# Altium PCB InsaneKeyboard.PcbDoc (part 2 of 3) (continued)
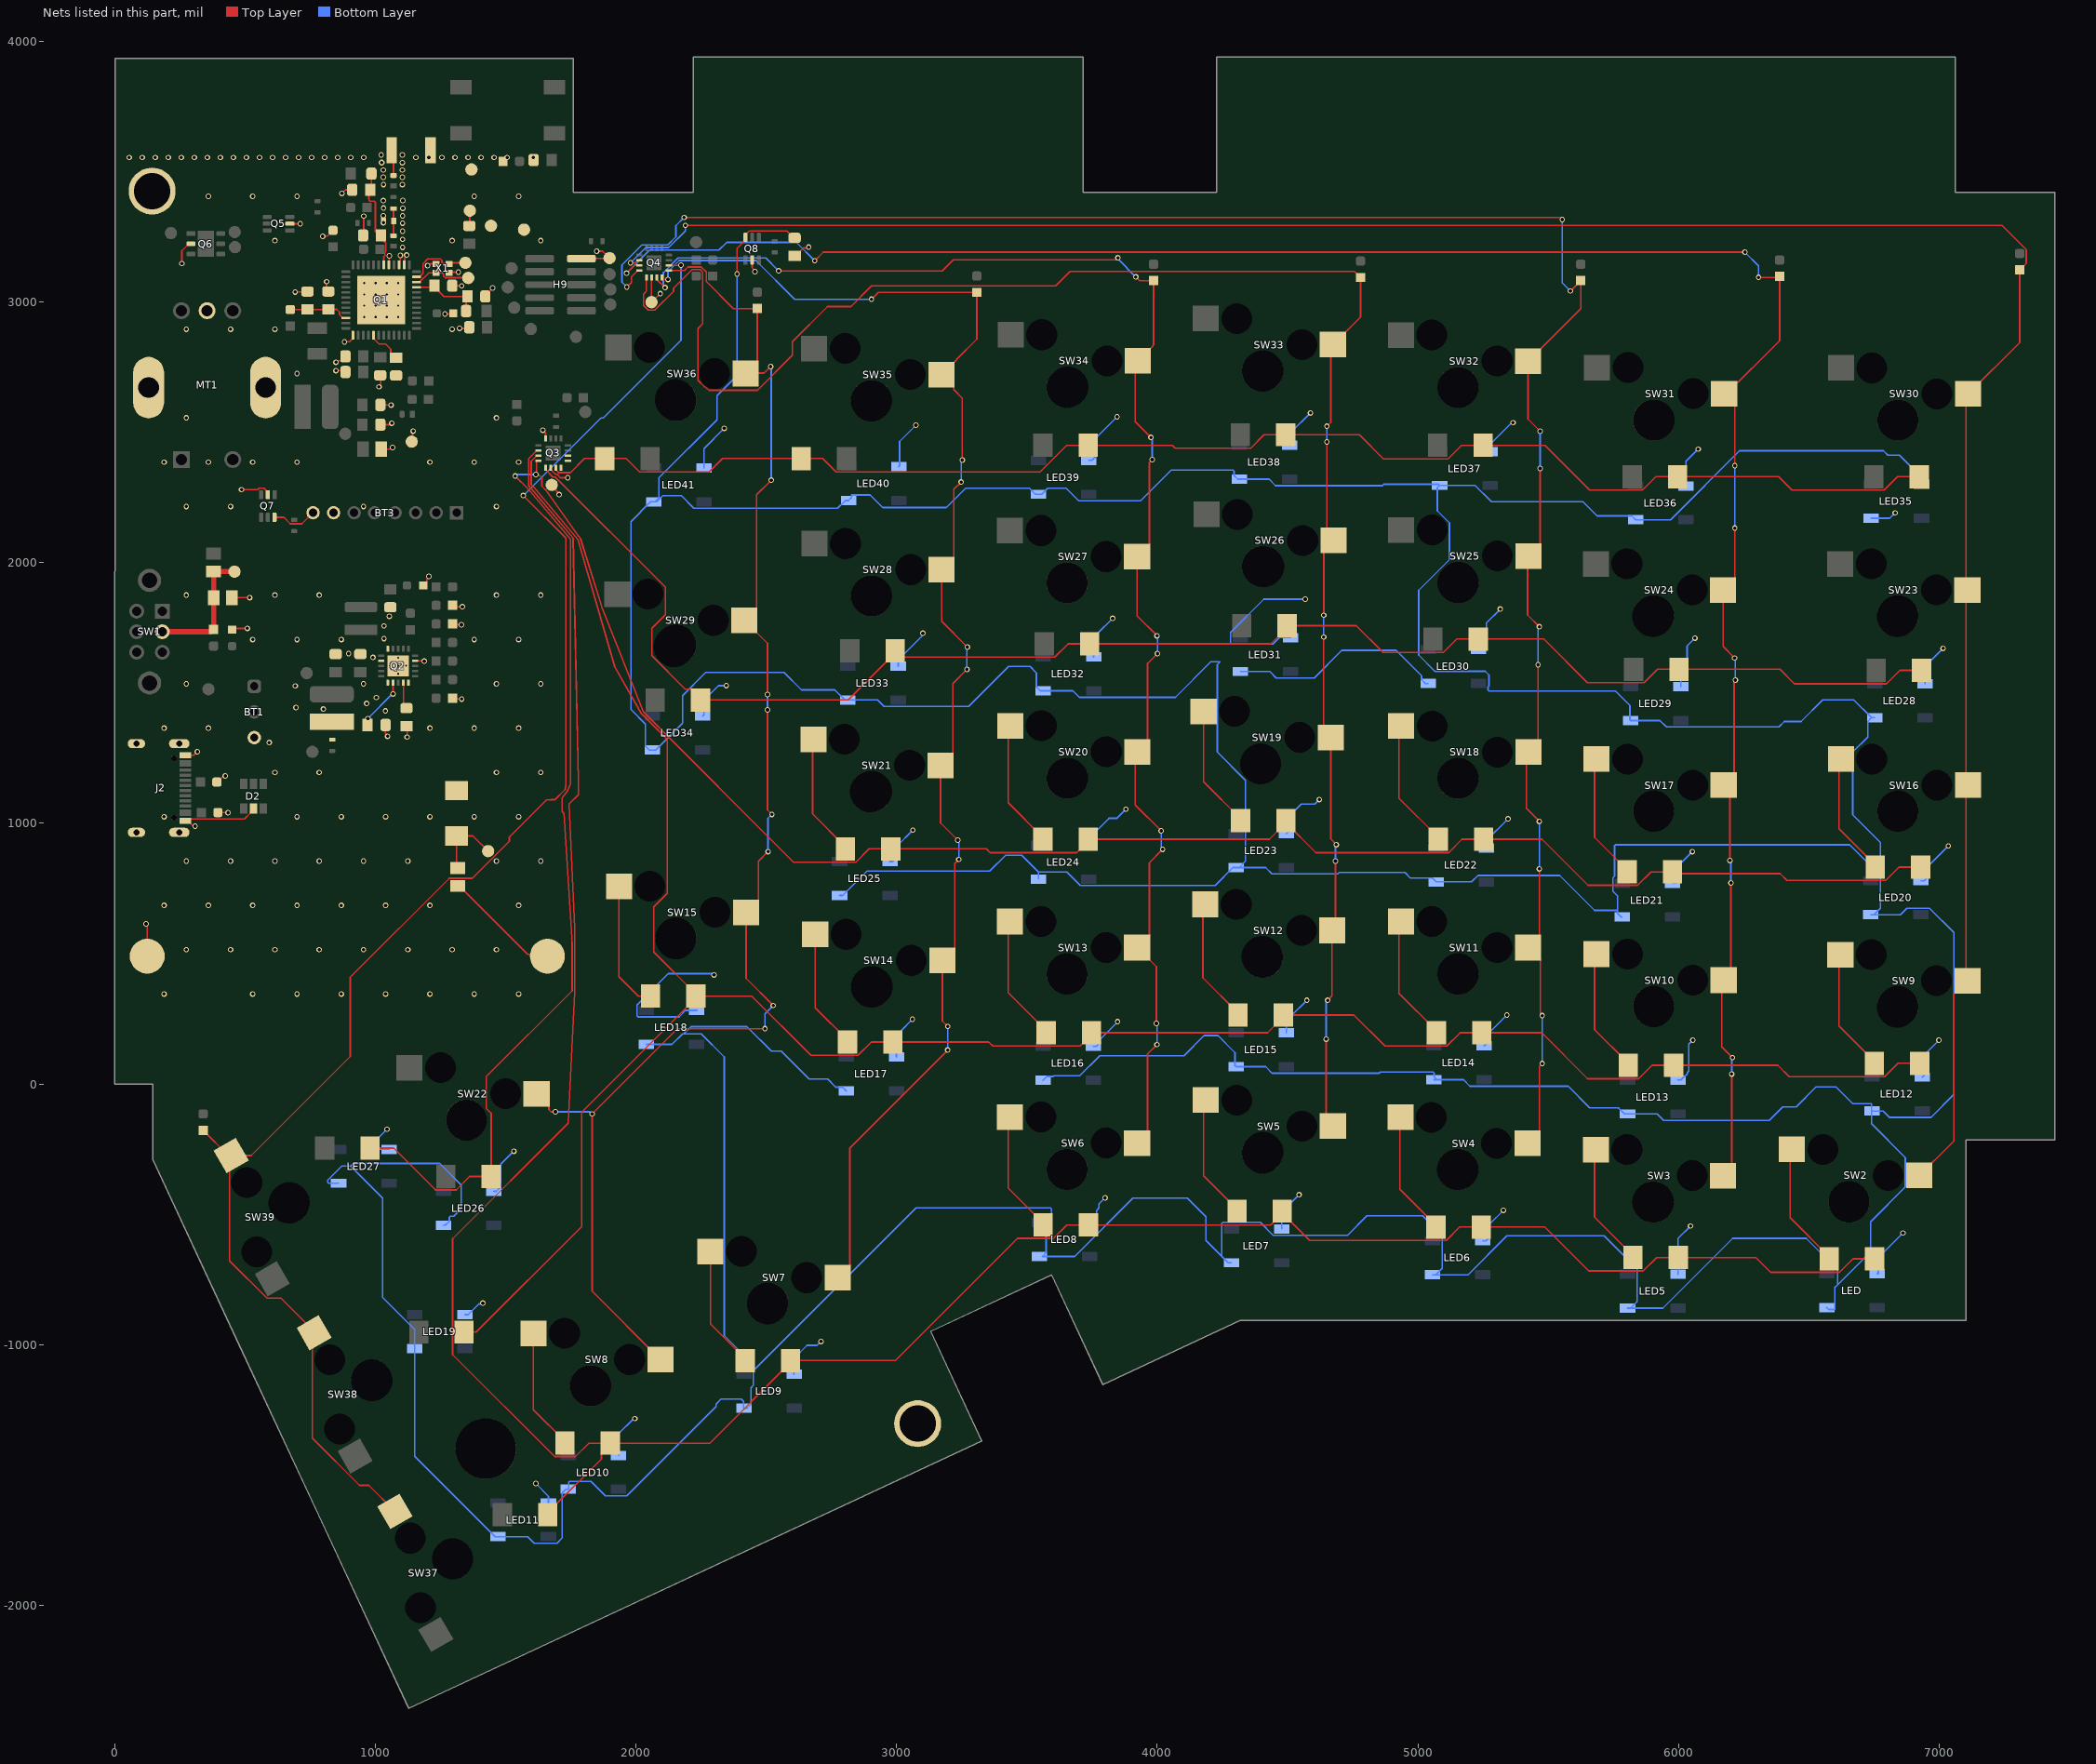
[diagram p4: the nets of this part, all layers, seen from the top]
## Part data (continued)
R15: "Fixed Resistor, Metal Glaze/thick Film, 0.1W, 5620000ohm, 75V, 1% +/-Tol, 100ppm/Cel, Surface Mount, 0603", Case/Package=0603, Manufacturer=Yageo, Manufacturer Part Number=RC0603JR-075M6L, Max Operating Temperature=155°C, Min Operating Temperature=-55°C, Package Height=0.45mm, Package Length=1.6mm, Package Shape=Rectangular, Package Style=SMTMeter, Package Width=0.8mm, Power=100mW, Rated Temperature=70°C, Resistor Type="FIXED RESISTOR", Supplier Part Number=311-5.6MGRCT-ND, Temperature Coefficient=100ppm/°C, Tolerance=5%, Working Voltage=75V, Additional Feature="LASER TRIMMABLE", Category="Chip SMD Resistors", ComponentLink1Description=https://datasheet.ciiva.com:443/pdfs/VipMasterIC/IC/YAGO/YAGO-S-A0008145938/YAGO-S-A0008145938-1.pdf?src-supplier=IHS+Markit, ComponentLink1URL=https://datasheet.ciiva.com:443/pdfs/VipMasterIC/IC/YAGO/YAGO-S-A0008145938/YAGO-S-A0008145938-1.pdf?src-supplier=IHS+Markit, ComponentLink2Description=https://datasheet.ciiva.com/2453/pyu-r-int-thick-7-2453118.pdf?src-supplier=Digikey, ComponentLink2URL=https://datasheet.ciiva.com/2453/pyu-r-int-thick-7-2453118.pdf?src-supplier=Digikey, ComponentLink3Description=https://datasheet.ciiva.com/2453/pyu-r-int-thick-7-2453119.pdf?src-supplier=Digikey, ComponentLink3URL=https://datasheet.ciiva.com/2453/pyu-r-int-thick-7-2453119.pdf?src-supplier=Digikey, ComponentLink4Description=https://datasheet.ciiva.com/2453/pyu-r-int-thick-7-2453120.pdf?src-supplier=Digikey, ComponentLink4URL=https://datasheet.ciiva.com/2453/pyu-r-int-thick-7-2453120.pdf?src-supplier=Digikey, ComponentLink5Description=http://www.mouser.com/ds/2/447/RC0603-272842.pdf?src-supplier=Mouser, ComponentLink5URL=http://www.mouser.com/ds/2/447/RC0603-272842.pdf?src-supplier=Mouser, ComponentLink6Description=http://www.yageo.com/documents/recent/PYu-RC_Group_51_RoHS_L_2.pdf?src-supplier=Avnet, ComponentLink6URL=http://www.yageo.com/documents/recent/PYu-RC_Group_51_RoHS_L_2.pdf?src-supplier=Avnet, ComponentLink7Description=http://www.yageo.com.tw/exep/pages/download/literatures/PYu-R_INT-thick_7.pdf?src-supplier=Digikey, ComponentLink7URL=http://www.yageo.com.tw/exep/pages/download/literatures/PYu-R_INT-thick_7.pdf?src-supplier=Digikey, Construction=Chip, JESD-609 Code=e3, Mounting Technology="Surface Mount", Packaging="Tape and Reel", Pins=2, Pricing="1=0.1, 10=0.015, 50=0.0092, 100=0.0076, 500=0.00512, 1000=0.00437 (USD)", Reach SVHC Compliant=Yes, RoHS=Yes, RoHS Compliant=Yes, Stock=110556, Supplier=Digikey, Technology="METAL GLAZE/THICK FILM", Terminal Finish=Nickel, Termination=Wraparound
R16 R19 R20 R21 R22 R23 R24 R25 R26 R30 R31 R32 R33 R34 R35 R36: "Fixed Resistor, Metal Glaze/thick Film, 0.1W, 10000ohm, 75V, 1% +/-Tol, 100ppm/Cel, Surface Mount, 0603", Case/Package=0603, Manufacturer=Yageo, Manufacturer Part Number=RC0603FR-0710KL, Max Operating Temperature=155°C, Min Operating Temperature=-55°C, Package Height=0.45mm, Package Length=1.6mm, Package Shape=Rectangular, Package Style=SMTMeter, Package Width=0.8mm, Power=100mW, Rated Temperature=70°C, Resistor Type="FIXED RESISTOR", Supplier Part Number=311-10.0KHRCT-ND, Temperature Coefficient=100ppm/°C, Tolerance=1%, Working Voltage=75V, Additional Feature="LASER TRIMMABLE", Category="Chip SMD Resistors", ComponentLink1Description=https://datasheet.ciiva.com:443/pdfs/VipMasterIC/IC/YAGO/YAGO-S-A0008145938/YAGO-S-A0008145938-1.pdf?src-supplier=IHS+Markit, ComponentLink1URL=https://datasheet.ciiva.com:443/pdfs/VipMasterIC/IC/YAGO/YAGO-S-A0008145938/YAGO-S-A0008145938-1.pdf?src-supplier=IHS+Markit, ComponentLink2Description=http://www.farnell.com/datasheets/2167052.pdf?src-supplier=Farnell, ComponentLink2URL=http://www.farnell.com/datasheets/2167052.pdf?src-supplier=Farnell, ComponentLink3Description=http://www.farnell.com/datasheets/1868787.pdf?src-supplier=Farnell, ComponentLink3URL=http://www.farnell.com/datasheets/1868787.pdf?src-supplier=Farnell, ComponentLink4Description=http://www.farnell.com/datasheets/443971.pdf?src-supplier=Farnell, ComponentLink4URL=http://www.farnell.com/datasheets/443971.pdf?src-supplier=Farnell, ComponentLink5Description=http://www.yageo.com/documents/recent/PYu-RC_Group_51_RoHS_L_10.pdf?src-supplier=Digikey, ComponentLink5URL=http://www.yageo.com/documents/recent/PYu-RC_Group_51_RoHS_L_10.pdf?src-supplier=Digikey, ComponentLink6Description=http://www.yageo.com/documents/recent/PYu-RC_Group_51_RoHS_L_9.pdf?src-supplier=Component+Sense, ComponentLink6URL=http://www.yageo.com/documents/recent/PYu-RC_Group_51_RoHS_L_9.pdf?src-supplier=Component+Sense, Construction=Chip, JESD-609 Code=e3, Mounting Technology="Surface Mount", Packaging="Tape and Reel", Pins=2, Pricing="1=0.1, 10=0.019, 50=0.0112, 100=0.0093, 500=0.00622, 1000=0.00532, 5000=0.00382, 10000=0.00335, 25000=0.00287, 35000=0.00278, 50000=0.00257, 125000=0.00232 (USD)", Reach SVHC Compliant=Yes, RoHS=Yes, RoHS Compliant=Yes, Stock=6878448, Supplier=Digikey, Technology="METAL GLAZE/THICK FILM", Terminal Finish=Nickel, Termination=Wraparound
R17: "Fixed Resistor, Metal Glaze/thick Film, 0.1W, 4990000ohm, 75V, 1% +/-Tol, 100ppm/Cel, Surface Mount, 0603", Case/Package=0603, Manufacturer=Yageo, Manufacturer Part Number=RC0603FR-074M99L, Max Operating Temperature=155°C, Min Operating Temperature=-55°C, Package Height=0.45mm, Package Length=1.6mm, Package Shape=Rectangular, Package Style=SMTMeter, Package Width=0.8mm, Power=100mW, Rated Temperature=70°C, Resistor Type="FIXED RESISTOR", Supplier Part Number=13-RC0603FR-074M99LDKR-ND, Temperature Coefficient=100ppm/°C, Tolerance=1%, Working Voltage=75V, Additional Feature="LASER TRIMMABLE", Category="Chip SMD Resistors", ComponentLink1Description=https://datasheet.ciiva.com:443/pdfs/VipMasterIC/IC/YAGO/YAGO-S-A0008145938/YAGO-S-A0008145938-1.pdf?src-supplier=IHS+Markit, ComponentLink1URL=https://datasheet.ciiva.com:443/pdfs/VipMasterIC/IC/YAGO/YAGO-S-A0008145938/YAGO-S-A0008145938-1.pdf?src-supplier=IHS+Markit, ComponentLink2Description=http://www.mouser.com/ds/2/447/RC0603-272842.pdf?src-supplier=Mouser, ComponentLink2URL=http://www.mouser.com/ds/2/447/RC0603-272842.pdf?src-supplier=Mouser, ComponentLink3Description=http://www.yageo.com/documents/recent/PYu-RC_Group_51_RoHS_L_9.pdf?src-supplier=Digikey, ComponentLink3URL=http://www.yageo.com/documents/recent/PYu-RC_Group_51_RoHS_L_9.pdf?src-supplier=Digikey, ComponentLink4Description=http://www.yageo.com/documents/recent/PYu-RC0603_51_RoHS_L_7.pdf?src-supplier=Future+Electronics, ComponentLink4URL=http://www.yageo.com/documents/recent/PYu-RC0603_51_RoHS_L_7.pdf?src-supplier=Future+Electronics, ComponentLink5Description=http://www.yageo.com/documents/recent/PYu-RC_Group_51_RoHS_L_2.pdf?src-supplier=Avnet, ComponentLink5URL=http://www.yageo.com/documents/recent/PYu-RC_Group_51_RoHS_L_2.pdf?src-supplier=Avnet, ComponentLink6Description=https://datasheet.octopart.com/RC0603FR-074M99L-Yageo-datasheet-164759695.pdf?src-supplier=Future+Electronics, ComponentLink6URL=https://datasheet.octopart.com/RC0603FR-074M99L-Yageo-datasheet-164759695.pdf?src-supplier=Future+Electronics, ComponentLink7Description=https://datasheet.octopart.com/RC0603FR-074M99L-Yageo-datasheet-148775077.pdf?src-supplier=TME, ComponentLink7URL=https://datasheet.octopart.com/RC0603FR-074M99L-Yageo-datasheet-148775077.pdf?src-supplier=TME, Construction=Chip, JESD-609 Code=e3, Mounting Technology="Surface Mount", Packaging="Tape and Reel", Pins=2, Pricing="1=0.1, 10=0.019, 50=0.0112, 100=0.0093, 500=0.00622, 1000=0.00532 (USD)", Reach SVHC Compliant=Yes, RoHS=Yes, RoHS Compliant=Yes, Stock=585, Supplier=Digikey, Technology="METAL GLAZE/THICK FILM", Terminal Finish=Nickel, Termination=Wraparound
S1: "Keypad Switch, 1 Switches, SPST, Momentary-tactile, 0.05A, 50VDC, 2.55N, Solder Terminal, Surface Mount-straight", Contact Current(DC)-Max=50mA, Contact DC Max Rating R Load=.05A@50VDC, Contact Voltage(DC)-Max=50V, Manufacturer=E-Switch, Manufacturer Part Number=TL3301NF260QG, Operating Force-Max=3.04N, Supplier Part Number=EG1868CT-ND, Body Breadth=6inch, Body Height=3.6mm, Body Length or Diameter=6mm, Category="Tactile Switches", Circuit Configuration=1X1, ComponentLink1Description=https://datasheet.ciiva.com:443/pdfs/VipMasterIC/IC/ESCH/ESCH-S-A0005350531/ESCH-S-A0005350531-1.pdf?src-supplier=IHS+Markit, ComponentLink1URL=https://datasheet.ciiva.com:443/pdfs/VipMasterIC/IC/ESCH/ESCH-S-A0005350531/ESCH-S-A0005350531-1.pdf?src-supplier=IHS+Markit, ComponentLink2Description=https://datasheet.ciiva.com/2901/p010517e-2901296.pdf?src-supplier=Digikey, ComponentLink2URL=https://datasheet.ciiva.com/2901/p010517e-2901296.pdf?src-supplier=Digikey, ComponentLink3Description=https://datasheet.ciiva.com/2901/tl3301-2901294.pdf?src-supplier=Digikey, ComponentLink3URL=https://datasheet.ciiva.com/2901/tl3301-2901294.pdf?src-supplier=Digikey, ComponentLink4Description=https://datasheet.ciiva.com/2901/tl3301-2901295.pdf?src-supplier=Digikey, ComponentLink4URL=https://datasheet.ciiva.com/2901/tl3301-2901295.pdf?src-supplier=Digikey, ComponentLink5Description=https://datasheet.ciiva.com/7637/tl3301-7637661.pdf?src-supplier=Element14, ComponentLink5URL=https://datasheet.ciiva.com/7637/tl3301-7637661.pdf?src-supplier=Element14, JESD-609 Code=e4, Mounting Technology="Surface Mount", Number of Switches=1, Packaging="Tape and Reel", Pricing="1=0.42, 10=0.404, 25=0.3804, 100=0.3303, 250=0.29968, 500=0.27876 (USD)", Reach SVHC Compliant=Yes, RoHS=Yes, RoHS Compliant=Yes, Stock=45667, Supplier=Digikey, Switch Action=MOMENTARY-TACTILE, Switch Function=SPST, Switch Type=Keypad, Terminal Finish=Silver, Termination=Solder
SW1: "Slide Switch, DPDT, Latched, Solder Terminal, Through Hole-right Angle", Manufacturer=E-Switch, Manufacturer Part Number=EG2208, Max Operating Temperature=70°C, Min Operating Temperature=-20°C, Supplier Part Number=EG1941-ND, Body Breadth=6inch, Body Height=5mm, Body Length or Diameter=10mm, Category="Slide Switches", ComponentLink1Description=https://datasheet.ciiva.com:443/pdfs/VipMasterIC/IC/ESCH/ESCH-S-A0005350660/ESCH-S-A0005350660-1.pdf?src-supplier=IHS+Markit, ComponentLink1URL=https://datasheet.ciiva.com:443/pdfs/VipMasterIC/IC/ESCH/ESCH-S-A0005350660/ESCH-S-A0005350660-1.pdf?src-supplier=IHS+Markit, ComponentLink2Description=https://datasheet.ciiva.com/2889/p040110c-2889382.pdf?src-supplier=Digikey, ComponentLink2URL=https://datasheet.ciiva.com/2889/p040110c-2889382.pdf?src-supplier=Digikey, ComponentLink3Description=https://datasheet.ciiva.com/16174/seriesegslides-16174287.pdf?src-supplier=Onlinecomponents.com, ComponentLink3URL=https://datasheet.ciiva.com/16174/seriesegslides-16174287.pdf?src-supplier=Onlinecomponents.com, ComponentLink4Description=https://datasheet.ciiva.com/16216/eg-16216332.pdf?src-supplier=Future+Electronics, ComponentLink4URL=https://datasheet.ciiva.com/16216/eg-16216332.pdf?src-supplier=Future+Electronics, JESD-609 Code=e4, Mounting Technology="Through Hole", Pricing="1=0.66, 10=0.639, 25=0.5968, 100=0.5183, 250=0.47168, 800=0.43728, 1600=0.4325 (USD)", Reach SVHC Compliant=Yes, RoHS=Yes, RoHS Compliant=Yes, Stock=171516, Supplier=Digikey, Switch Action=LATCHED, Switch Function=DPDT, Switch Type="Slide Switch", Terminal Finish=Silver, Termination=Solder
SW2 SW3 SW4 SW5 SW6 SW7 SW8 SW9 SW10 SW11 SW12 SW13 SW14 SW15 SW16 SW17 SW18 SW19 SW20 SW21 SW22 SW23 SW24 SW25 SW26 SW27 SW28 SW29 SW30 SW31 SW32 SW33 SW34 SW35 SW36 SW37 SW38 SW39: "Gateron G Pro 2.0, The 3-Pin switches are compatible with any 3-Pin/5-Pin MX mechanical keyboard"
TP15: "Test points"
X1: "Crystal 38.4000MHZ 10PF SMD", Manufacturer=Murata, Manufacturer Part Number=XRCGB38M400F1S3JR0, Supplier Part Number=490-XRCGB38M400F1S3JR0TR-ND, Category=LDO, ComponentLink1Description=https://datasheet.octopart.com/TZ2205E-TST---Tamsan-datasheet-98782093.pdf?src-supplier=Component+Distributors+Inc., ComponentLink1URL=https://datasheet.octopart.com/TZ2205E-TST---Tamsan-datasheet-98782093.pdf?src-supplier=Component+Distributors+Inc., ComponentLink2Description=http://www.txccorp.com/download/products/quartz_crystals/2015TXC_8Y_15.pdf?src-supplier=Digikey, ComponentLink2URL=http://www.txccorp.com/download/products/quartz_crystals/2015TXC_8Y_15.pdf?src-supplier=Digikey, Pricing="1=1.13, 10=1.004, 50=0.938, 100=0.829, 500=0.78538, 1000=0.65448 (USD)", RoHS=No, Stock=604, Supplier=Digikey
X2: library part "XTAL 32.768kHz", "Parallel - Fundamental Quartz Crystal, 0.032768MHz Nom", Frequency Tolerance=20ppm, Load Capacitance=12.5pF, Manufacturer=Abracon, Manufacturer Part Number=ABS07-32.768KHZ-T, Max Operating Temperature=85°C, Min Operating Temperature=-40°C, Operating Frequency-Nom=0.032768, Supplier Part Number=815-ABS07-32.768KHZT, Additional Feature="TAPE AND REEL", Aging="3 PPM/FIRST YEAR", Category=Crystals, ComponentLink1Description=https://datasheet.ciiva.com:443/pdfs/VipMasterIC/IC/ABRC/ABRC-S-A0006623177/ABRC-S-A0006623177-1.pdf?src-supplier=IHS+Markit, ComponentLink1URL=https://datasheet.ciiva.com:443/pdfs/VipMasterIC/IC/ABRC/ABRC-S-A0006623177/ABRC-S-A0006623177-1.pdf?src-supplier=IHS+Markit, ComponentLink2Description=https://datasheet.ciiva.com/854/abs07-854935.pdf?src-supplier=Digikey, ComponentLink2URL=https://datasheet.ciiva.com/854/abs07-854935.pdf?src-supplier=Digikey, ComponentLink3Description=https://datasheet.ciiva.com/854/abs07-854936.pdf?src-supplier=Digikey, ComponentLink3URL=https://datasheet.ciiva.com/854/abs07-854936.pdf?src-supplier=Digikey, ComponentLink4Description=https://datasheet.ciiva.com/854/abs07-854937.pdf?src-supplier=Digikey, ComponentLink4URL=https://datasheet.ciiva.com/854/abs07-854937.pdf?src-supplier=Digikey, ComponentLink5Description=https://datasheet.ciiva.com/15214/getdatasheetpartid-727011-15214954.pdf?src-supplier=Verical, ComponentLink5URL=https://datasheet.ciiva.com/15214/getdatasheetpartid-727011-15214954.pdf?src-supplier=Verical, ComponentLink6Description=https://datasheet.ciiva.com/7998/1912628-7998667.pdf?src-supplier=Element14, ComponentLink6URL=https://datasheet.ciiva.com/7998/1912628-7998667.pdf?src-supplier=Element14, Crystal/Resonator Type="PARALLEL - FUNDAMENTAL", Drive Level=0.5uW, ESR=70kR, Mounting Technology="Surface Mount", Pricing="1=0.64, 10=0.502, 50=0.502, 100=0.463, 500=0.438, 1000=0.419, 3000=0.308, 6000=0.281, 9000=0.269, 10000=0.269, 24000=0.258 (USD)", Reach SVHC Compliant=Yes, RoHS=Yes, RoHS Compliant=Yes, Stock=349794, Supplier=Mouser

## Free pads (board coordinates)
  round 157.48 hole 157.48: 1(670.06,-455.52) 1(986.96,-1135.22) 1(1349.76,-138.61) 1(1825.88,-1157.86) 1(2153.97,559.59) 1(2153.97,1684.6) 1(2153.97,2622.01) 1(2505.58,-840.86) 1(2903.97,372.09) 1(2903.97,1122.1) 1(2903.97,1872.1) 1(2903.97,2622.01) 1(3653.98,-327.92) 1(3653.98,422.09) 1(3653.98,1172.1) 1(3653.98,1922.1) 1(3653.98,2672.11) 1(4403.98,-265.01) 1(4403.98,484.99) 1(4403.98,1985) 1(4403.98,2735.01) 1(5153.99,-327.92) 1(5153.99,422.09) 1(5153.99,1172.1) 1(5153.99,1922.1) 1(5153.99,2672.11) 1(5903.99,-452.92) 1(5903.99,297.09) 1(5903.99,1047.09) 1(5903.99,1797.1) 1(5904,2547) 1(6654,-452.92) 1(6841.5,297.09) 1(6841.5,1047.09) 1(6841.5,1797.1) 1(6841.5,2547)
  round 232.28 hole 232.28: 1(1424.08,-1399.47)

## Via types
v1: diameter 21, hole 13, Top Layer to Bottom Layer, tented both sides, 410 vias
v2: diameter 21, hole 13, Top Layer to Bottom Layer, 116 vias
v3: diameter 0, hole 13, Int1 (GND) to Int2 (GND), 28 vias
v4: diameter 21, hole 13, Int2 (GND) to Bottom Layer, 22 vias
v5: diameter 19.68/19.68 (per signal layer), hole 7.87, Top Layer to Bottom Layer, tented both sides, 16 vias
v6: diameter 21, hole 13, Top Layer to Int1 (GND), 4 vias
v7: diameter 23, hole 13, Top Layer to Bottom Layer, tented both sides, 1 vias

## Nets (pads, with @x,y where several pads share a name; then routed paths per layer and width w, separated by ;. In a path a pad name is that pad's centre, name@x,y a point inside that pad or via, vN(x,y) a via of type N, cw(c..) or ccw(c..) an arc to the next point about the centre after c; other vN are vias at no path point)
+3.3V: C22.1 C24.1 R8.1 SW1.2 TP20.1 | length 504.1
  Top Layer w20: SW1.2@183.21,1734.85 371.86,1734.85 380.71,1743.7 380.35,1744.05 380.35,1864.65 C22.1@380.71,1865 380.35,1865.35 C24.1@380.35,1965.35 ; TP20.1@460,1965 459.65,1965.35 C24.1@380.35,1965.35 ; C24.1@380.35,1965.35 C24.1@380,1965.71 C24.1@380.35,1965.35
DISPLAY_LOAD_SW: BT3.8 Q7.6 | length 175.8
  Top Layer w6: Q7.6@613.59,2173.69 649.38,2173.69 674.29,2148.78 718.84,2148.78 BT3.8@761.41,2191.35
GND: ATT1.GND BT1.3 BT2.N BT3.7 C1.2 C2.2 C3.2 C4.2 C5.2 C6.2 C7.2 C8.2 C9.2 C10.2 C11.2 C12.2 C13.2 C14.2 C15.2 C16.2 C17.2 C18.1 C19.2 C20.2 C21.2 C22.2 C25.2 C26.1 D2.2 H1.1 H2.1 H9.2 J2.A1_B12 J2.B1_A12 J2.S1 J2.S2 J2.S3 J2.S4 LED1.C LED2.C LED4.C LED5.3-GND LED6.3-GND LED7.3-GND LED8.3-GND LED9.3-GND LED10.3-GND LED11.3-GND LED12.3-GND LED13.3-GND LED14.3-GND LED15.3-GND LED16.3-GND LED17.3-GND LED18.3-GND LED19.3-GND LED20.3-GND LED21.3-GND LED22.3-GND LED23.3-GND LED24.3-GND LED25.3-GND LED26.3-GND LED27.3-GND LED28.3-GND LED29.3-GND LED30.3-GND LED31.3-GND LED32.3-GND LED33.3-GND LED34.3-GND LED35.3-GND LED36.3-GND LED37.3-GND LED38.3-GND LED39.3-GND LED40.3-GND LED41.3-GND LED.3-GND MT1.COM MT1.S1 MT1.S2 Q1.14 Q1.15 Q1.17 Q1.37 Q1.49 Q2.1 Q2.5 Q2.9 Q2.15 Q2.17 Q2.21 Q3.6 Q3.16 Q4.6 Q5.2 Q6.2 Q7.2 Q8.2 R3.2 R6.1 R7.1 R9.2 R10.2 R15.1 R17.1 TP1.1 TP22.1 TP25.1 TP28.1 TP29.1 TP30.1 TP31.1 TP32.1 X1.2 X1.4 | length 10151.9
  Top Layer w6: v1(121,614) 125.28,609.72 BT2.N@125.28,490 ; v1(258,3147) 258,3195.96 285.04,3223 Q6.2@292.91,3223 ; J2.A1_B12@271,1261.14 303.28,1261.14 v1@317,1274.86 ; v1(309.07,988.94) 306.19,991.81 299,991.81 281.63,1009.17 J2.B1_A12@271,1009.17 278.27,1016.44 498.01,1016.44 522.21,1040.65 522.21,1046.61 D2.2@532.99,1057.39 ; R9.2@392.49,1158.16 394.52,1158.16 414.99,1178.63 420.63,1178.63 v1@424,1182 ; R10.2@396.49,1041.16 396.78,1040.87 434.87,1040.87 v1@435,1041 ; C22.2@450,1865 450.5,1865.5 517.5,1865.5 v1@518,1866 ; LED1.C@451,1742.5 456,1747.5 508.5,1747.5 v1@509,1748 ; v2(487,2280) 548.92,2280 553.94,2285.02 573.13,2285.02 588,2270.15 Q7.2@588,2260.31 ; Q5.2@672.31,3300 672.56,3299.75 711.75,3299.75 v1@712,3300 ; v1(692.91,3037.77) 738.32,3037.77 C10.2@740,3039.45 ; v1@798,3252 799.01,3253.01 816.51,3253.01 R3.2@838,3274.5 ; v1(813.5,3077.5) 813.5,3046.5 C11.2@820,3040 ; v1(849.5,2736.5) 880.05,2736.5 C8.2@885.55,2731 ; v1@849.95,2769.95 855.01,2769.95 859.66,2774.6 869.39,2774.6 885.55,2790.77 C13.2@885.55,2791 ; v1(872,3416) 885.77,3429.77 911.32,3429.77 C4.2@911.55,3430 ; v1@881.73,2847.14 901.59,2847.14 914.5,2860.05 Q1.37@914.5,2871.87 ; C5.2@953.55,3255 956,3257.45 v1(956,3329) ; v1(1014.41,2674.27) 1014.41,2678.33 1021.5,2685.42 1021.5,2716.05 C9.2@1019,2718.55 ; C21.2@1019.45,2529 1053.91,2529 1059.91,2535 v1@1065,2535 ; C20.2@1019.45,2605 1020.35,2604.1 v1(1060.98,2604.1) ; C25.2@1022.65,2435 1055.94,2435 1062.94,2442 v1@1066,2442 ; v1(1031.32,3303.86) C1.2@1031.32,3311 ; C17.2@1039.35,1376.91 1039.35,1344.44 1047,1336.79 v1@1047,1334 ; Q1.17@1052.29,3142.34 1053.3,3143.35 1053.3,3175.67 v1(1054.32,3176.68) ; C12.2@1080,2717.55 1080,2721.41 C12.2@1082.73,2724.15 ; Q1.15@1091.66,3142.34 1091.66,3154.15 1096,3158.49 v1@1096,3179 ; Q1.14@1111.35,3142.34 1113.33,3144.32 1113.33,3168.27 1120,3174.94 v1@1120,3180 ; C18.1@1119.9,1372.46 1122.5,1369.86 1122.5,1331.5 v1@1122,1331 ; TP30.1@1140,2464 1142.75,2466.75 1142.75,2502.75 v1@1145,2505 ; Q2.9@1152.96,1623.68 1153.8,1622.84 1187.16,1622.84 v1(1188,1622) ; LED4.C@1184.5,1912 1197.24,1924.75 1197.24,1934.19 1206,1942.94 v1(1206,1947) ; v1(1201,3139) 1204.44,3139 1211.44,3146 X1.2@1233.9,3146 ; v1(1267.5,2953.5) 1297,2953.5 LED2.C@1299.5,2956 ; X1.4@1284.1,3112 1286.1,3114 v1(1319,3114) ; C2.2@1295.45,3062 1295.95,3061.5 1330.5,3061.5 v1@1331,3062 ; R15.1@1296.39,1479.91 1299.81,1476.5 1330.5,1476.5 v1@1331,1477 ; R17.1@1296.39,1764.58 1299.47,1761.5 1329.5,1761.5 v1@1330,1762 ; R7.1@1296.39,1835.74 1301.64,1830.5 1333.5,1830.5 v1@1334,1831 ; v1(1323.5,2898.5) 1356.44,2898.5 C6.2@1360.5,2902.56 ; C7.2@1361,3291.45 1363,3293.45 TP1.1@1363,3350 ; C3.2@1422.45,3021 1422.45,3025.06 1450,3052.62 v1@1450,3053.74 ; v1(1643,2508) 1643,2507.78 1653.47,2497.31 Q3.16@1653.47,2476.5 ; Q3.6@1673.16,2363.5 1673.16,2356.81 1691.35,2338.62 1696.89,2338.62 1710.01,2325.5 1737.5,2325.5 v1@1738,2326 ; TP32.1@1677,2298 1677,2293.06 1705.03,2265.03 v1@1705.03,2260.97 ; H9.2@1791,3166 1792,3167 1896,3167 1898,3169 1872.5,3194.5 v1(1849.5,3194.5) ; Q4.6@2060.16,3093.5 2060.08,3093.42 2060.08,3051.41 2060,3051.33 TP29.1@2060,2999 2060.5,2999 v1@2093,3031.5 ; Q8.2@2446,3160.69 2446,3131.06 2457,3120.06 v1(2457,3116) ; C26.1@2609,3176.55 2612.94,3176.55 2643.52,3207.13 2660.13,3207.13 v1(2663,3210)
  Bottom Layer w6: v1(1045,-174) 1010.41,-208.59 1010.41,-247.52 1013.93,-251.04 LED27.3-GND@1052.46,-251.04 ; LED19.3-GND@1344.46,-885.04 1356.27,-885.04 1397.44,-843.87 1410.13,-843.87 v1(1413,-841) ; LED26.3-GND@1454.46,-412.04 1464.59,-412.04 1479.31,-397.32 1479.31,-380 1481.98,-377.32 1481.98,-308.02 v1(1532,-258) ; v1(1616,-1533) 1664.46,-1581.46 LED11.3-GND@1664.46,-1607.04 ; LED10.3-GND@1932.46,-1425.04 1934.46,-1423.04 1934.46,-1340.32 1987.91,-1286.87 1993.13,-1286.87 v1(1996,-1284) ; LED18.3-GND@2233.46,281.96 2190.46,281.96 2165.74,257.24 2008.12,257.24 2004.02,261.34 2004.02,302.58 2124.44,423 v1@2305,423 ; LED34.3-GND@2256.46,1410.96 2261.46,1415.96 2261.46,1472.68 2316.74,1527.96 v1(2347.04,1527.96) ; LED41.3-GND@2261.46,2362.96 2261.46,2437.46 v1(2339,2515) ; LED9.3-GND@2607.46,-1114.04 2605.46,-1112.04 2605.46,-1054.32 2656.74,-1003.04 2694.96,-1003.04 v1(2710,-988) ; LED25.3-GND@2974.46,852.96 2986.27,852.96 3000.98,867.68 3000.98,911.98 v1(3062.48,973.48) ; LED17.3-GND@3000.46,102.96 2999.27,104.15 2999.27,156.21 3013.98,170.92 3013.98,200.98 v1(3061,248) ; LED33.3-GND@3006.46,1602.96 3006.27,1603.15 3006.27,1626.96 3098.13,1718.82 3098.13,1726.13 v1(3101,1729) ; LED40.3-GND@3008.46,2367.96 3011.98,2371.49 3011.98,2464.68 v1(3074.31,2527) ; LED24.3-GND@3737.46,915.96 3738.91,917.42 3738.91,942.68 3815.02,1018.78 3844.78,1018.78 v1(3880,1054) ; LED39.3-GND@3737.46,2391.96 3749.27,2391.96 3763.98,2406.68 3763.98,2476.98 v1(3846,2559) ; LED8.3-GND@3740.46,-532.04 3752.27,-532.04 3766.98,-517.32 3766.98,-485.6 3776.98,-475.6 3776.98,-460.02 v1(3800,-437) ; LED16.3-GND@3754.46,143.96 3766.27,143.96 3780.98,158.68 3780.98,170.68 3848,237.69 v1(3848,239) ; LED32.3-GND@3756,1638 3756,1681.65 3770.98,1696.64 3770.98,1727.98 v1(3829,1786) ; LED7.3-GND@4477.46,-556.04 4477.46,-491.54 v1(4544,-425) ; LED15.3-GND@4495.46,195.96 4495.46,224.33 4517.98,246.86 4517.98,264.98 v1(4574,321) ; LED23.3-GND@4495.46,959.96 4501.62,966.13 4501.62,1022.84 4552.74,1073.96 4604.96,1073.96 v1(4622,1091) ; LED38.3-GND@4508.46,2449.96 4513.98,2455.49 4513.98,2499.98 v1(4588,2574) ; LED31.3-GND@4511.46,1711.96 4468.46,1711.96 4443.74,1687.24 4286.12,1687.24 4282.02,1691.34 4282.02,1732.58 4409.13,1859.69 v1(4568,1859.69) ; LED30.3-GND@5232.46,1665.96 5244.27,1665.96 5258.98,1680.68 5258.98,1688.68 5262.98,1692.68 5262.98,1768.83 v1(5316,1821.85) ; LED6.3-GND@5249.46,-602.04 5261.27,-602.04 5275.98,-587.32 5275.98,-537.02 v1(5328,-485) ; LED14.3-GND@5254.46,145.96 5266.46,157.96 5266.46,189.42 v1(5341.52,264.48) ; LED22.3-GND@5263.46,904.96 5263.46,934.46 v1(5346,1017) ; LED37.3-GND@5276.46,2425.96 5276.46,2452.68 5357.91,2534.13 5362.13,2534.13 v1(5365,2537) ; LED21.3-GND@5977.46,769.96 5989.27,769.96 6003.98,784.68 6003.98,841.94 v1(6053.02,890.98) ; LED5.3-GND@5997.46,-730.04 5998.46,-729.04 5998.46,-592.54 v1(6046,-545) ; LED13.3-GND@5997.46,14.96 6009.27,14.96 6033.31,39 6033.31,43.33 6039.14,49.16 6039.14,152.14 v1(6055,168) ; LED29.3-GND@6008.46,1523.96 6008.46,1558.41 6032.98,1582.93 6032.98,1679.98 v1(6063,1710) ; LED36.3-GND@6028.46,2293.96 6028.46,2388.15 v1(6075.31,2435) ; LED35.3-GND@6739.54,2170.04 6810.34,2170.04 v1(6831,2190.7) v1@6831,2194.39 ; LED.3-GND@6761.46,-728.04 6766.46,-728.04 6766.46,-666.54 v1(6861,-572) ; LED20.3-GND@6930.46,778.96 6942.27,778.96 6956.98,793.68 6956.98,834.98 v1(7035,913) ; LED12.3-GND@6935.46,25.96 6945.27,35.77 6945.27,114.27 v1(6999,168) ; LED28.3-GND@6945.46,1534.96 6945.46,1601.46 v1(7015,1671)
  other v1: 2299.98,417.98 435.42,1040.58 424.5,1181.5 317.5,1274.5 593.08,1309.31 1122.5,1330.5 1047.5,1333.5 1039,1431 801,1438 695.89,1443.94 967.25,1459.6 1331.5,1476.5 1004,1482 693,1527 991,1636 898,1651 1033.53,1708.52 509.5,1747.5 1033.53,1757.06 1330.5,1761.5 1054,1794 1334.5,1830.5 518.5,1865.5 1705.53,2260.47 1738.5,2325.5 1066.5,2441.5 1145.5,2504.5 1063.47,2534.5 849.47,2768.47 882.09,2846.5 2093.5,3031.5 1450.5,3053.24 1331.5,3061.5 1096.5,3178.5 1120.5,3179.5 1105,3209 1105,3240 798.5,3251.5 1105,3271 712.5,3299.5 1105,3302 1031.16,3330.36 1105,3330 1106,3359 1032,3360 1031,3388.5 1106,3388.95 1032,3450 1104,3450 1031,3478 1104,3478 1031,3506 1104,3506 1104,3534 56,3554 106,3554 156,3554 206,3554 256,3554 306,3554 356,3554 406,3554 456,3554 506,3554 556,3554 606,3554 656,3554 706,3554 756,3554 806,3554 856,3554 906,3554 956,3554 1156,3554 1206,3554 1256,3554 1306,3554 1356,3554 1406,3554 1456,3554 1506,3554 1606,3554 1023,3564 1104,3564